# KiCad board PC110.kicad_pcb (continued)
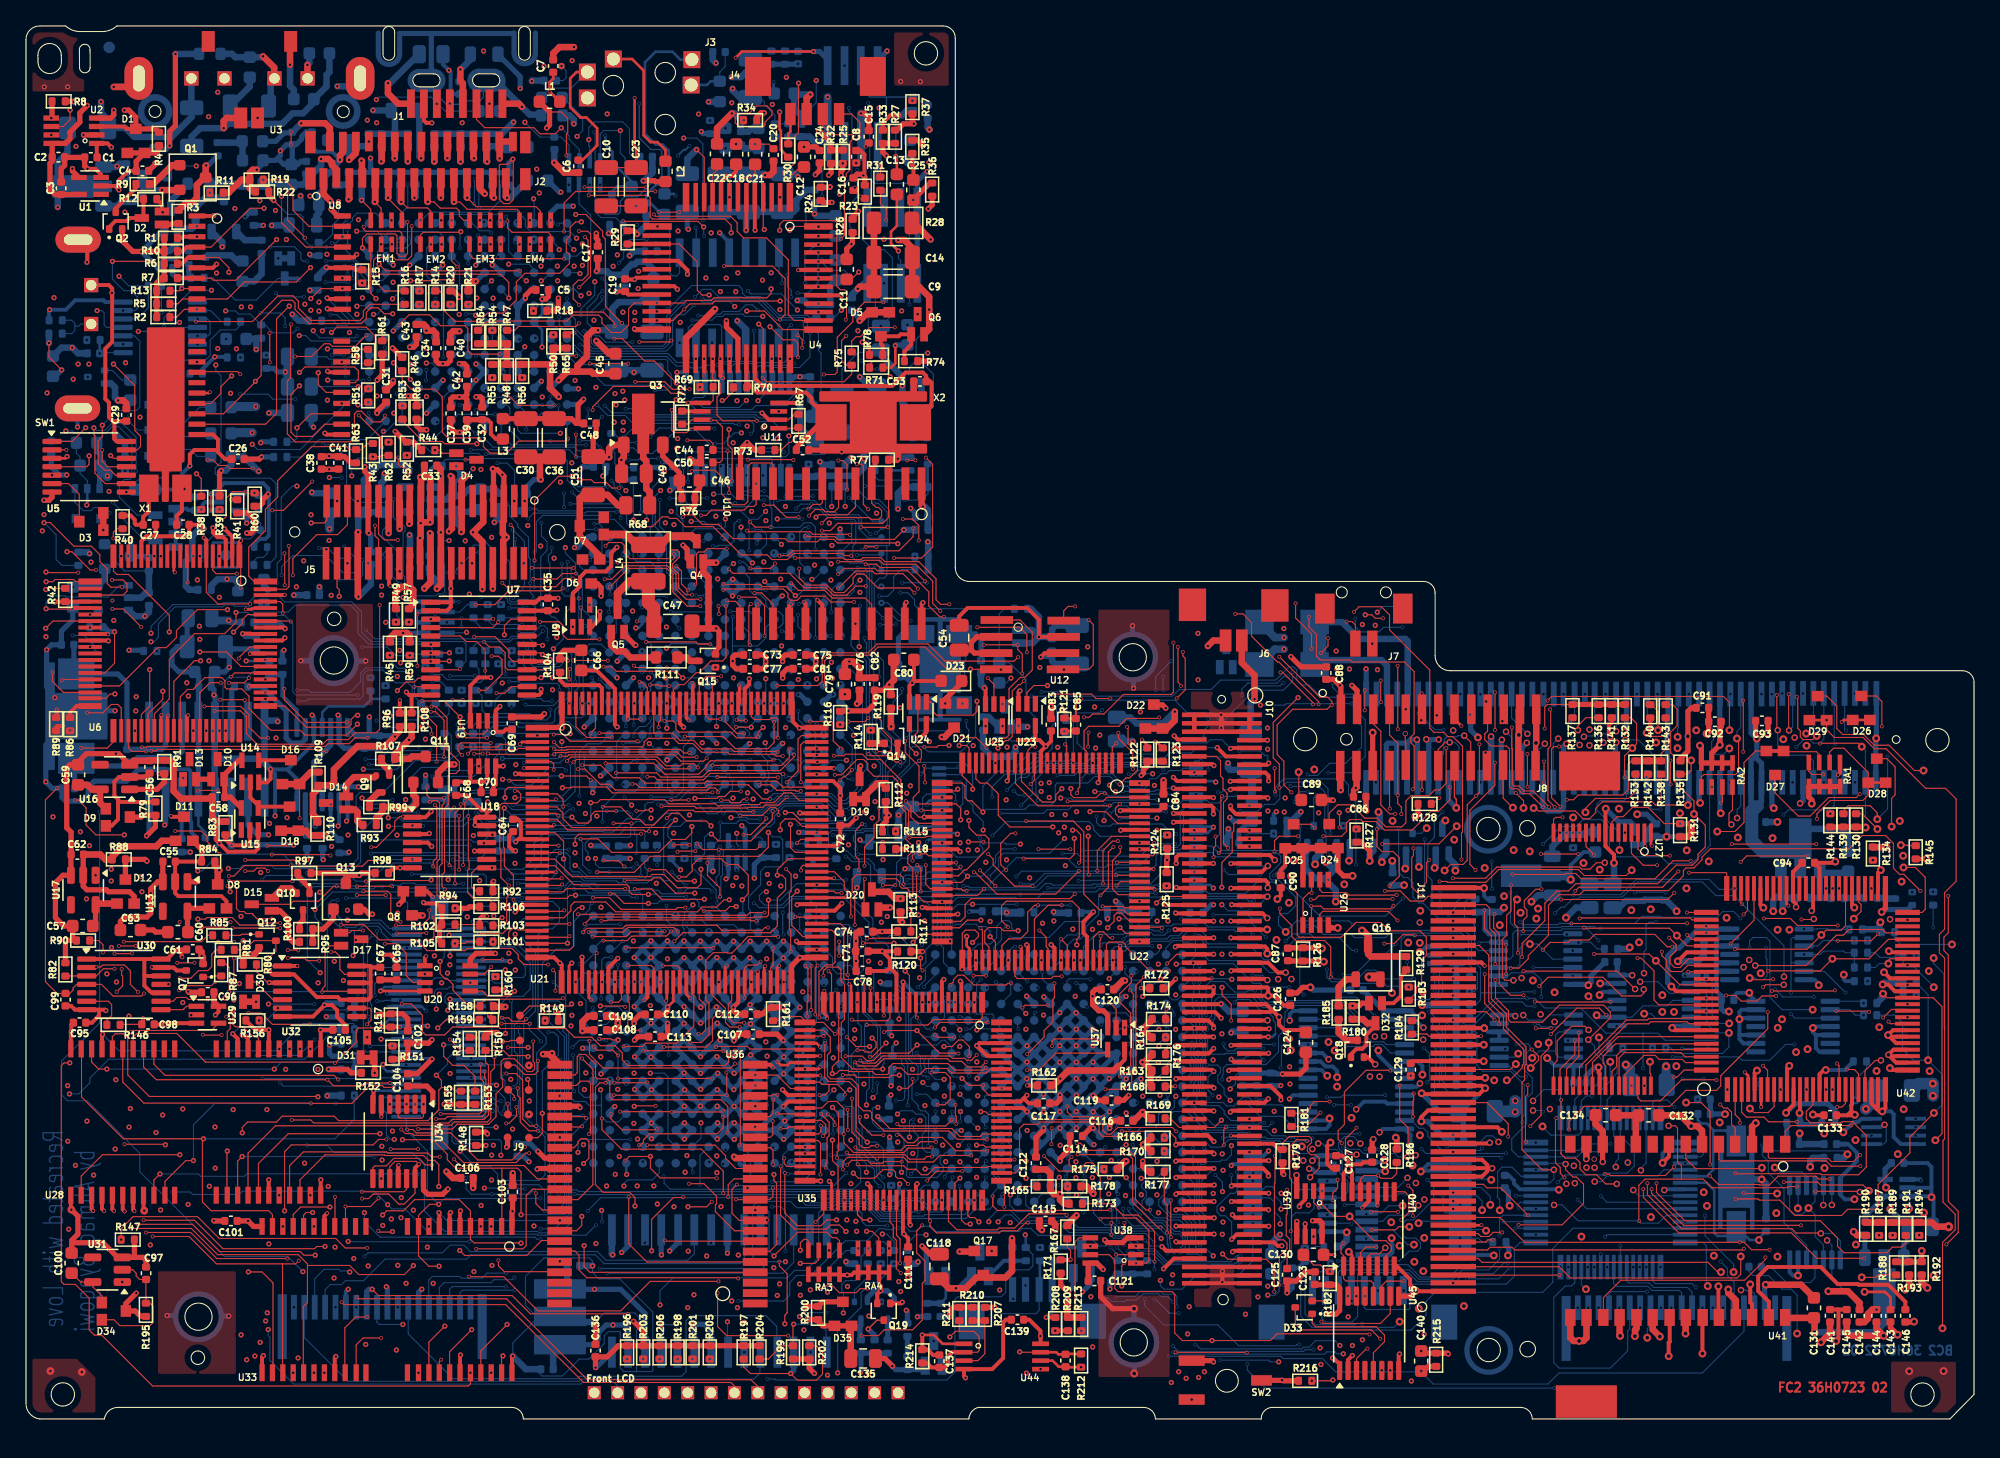
[diagram p0: board, top side]
## Routing (per net, layer and track width the routed paths; a pad name or vN(x,y) marks a point on that pad's centre or on a via; arc(x,y) is an arc through that point) (continued)
FDC_IRTX_TXD2: length 52
  FC2 w0.08: v3(105.33,39.55) 105.09,39.31 99.95,39.31 99.74,39.52 v3(98.99,39.52) 99.01,39.5 U26.2
  FC2 w0.2: U22.87 86.81,42.4 v3(86.85,42.36)
  FC1 w0.08: v3(98.99,39.52) 98.5,39.03 96.37,39.03 95.81,39.59 94.54,39.59 94.05,40.08 94.05,40.98 92.38,42.65 92.38,43.8 91.97,44.21 90.51,44.21 90.35,44.37 88.19,44.37 86.85,43.03 v3(86.85,42.36) ; v3(106.51,33.28) 105.93,33.86 105.93,38.89 105.35,39.47 105.35,39.53 v3(105.33,39.55) 105.63,39.85 106.6,39.85 107.34,40.59 107.8,40.59 109.68,38.71 110.35,38.71 110.5,38.56 v2(116.34,38.56)
  BC1 w0.08: v7(116.11,34.79) 116.11,35.53 116.34,35.76 v2(116.34,38.56)
  BC2 w0.08: v7(116.11,34.79) U57.5
FDC_MTR2#: length 64.3
  FC2 w0.08: v3(77.09,59.08) 77.09,60.45 76.53,61.01 v3(73.28,61.01) ; v3(81.84,52.9) 81.81,52.87 v3(81.81,51.81) ; v1(81.96,46.8) 83.17,46.8 84.07,45.9 U22.94 ; v3(62.56,65.11) 63,65.55 65.4,65.55 65.59,65.36 67.92,65.36 69.54,63.74 69.54,62.66 70.38,61.82 v3(70.7,61.82) ; 52.86,55.15 52.86,56.56 v3(53.18,56.88)
  FC1 w0.08: v3(81.81,51.81) 81.5,51.5 81.5,47.92 81.96,47.46 v1(81.96,46.8) ; v3(53.18,56.88) 53.18,57.54 53.4,57.76 53.4,58.81 55.56,60.97 62.08,60.97 62.25,61.14 62.25,64.4 62.56,64.71 v3(62.56,65.11) ; v3(70.7,61.82) 72.47,61.82 v3(73.28,61.01) ; v3(81.84,52.9) 81.78,52.96 81.78,57.43 79.99,59.22 77.66,59.22 77.52,59.08 v3(77.09,59.08)
  BC1 w0.08: v7(80.12,51.17) 80.61,51.17 81.7,50.08 81.7,47.66 81.96,47.4 v1(81.96,46.8)
  BC2 w0.08: v7(80.12,51.17) R310.1
FDC_MTR3#: length 44.7
  FC2 w0.08: v3(85.25,50.07) 85.25,51.35 84.15,52.45 84.15,52.87 v3(84.14,52.88) ; v3(57.88,56.52) 60.98,56.52 61.33,56.87 61.33,58.54 61.83,59.04 64.87,59.04 65.55,59.72 69.48,59.72 70.8,58.4 76.11,58.4 v3(76.42,58.71)
  FC2 w0.25: 54.96,55.17 54.96,56.49 v3(54.92,56.53)
  FC1 w0.08: v3(84.14,52.88) 83.08,53.94 83.08,54.89 82.21,55.76 82.21,57.63 80.37,59.47 77.04,59.47 76.42,58.85 v3(76.42,58.71) ; v3(54.92,56.53) 57.87,56.53 v3(57.88,56.52)
  FC1 w0.2: v3(85.25,50.07) 85.05,49.87 85.05,48.12 v3(85.77,47.4)
FDC_PD0: length 63.6
  FC2 w0.08: v3(84.1,44.53) 83.69,44.53 82.96,43.8 v3(82.96,41.27) ; v3(103.12,56.16) v3(103.12,54.61)
  FC1 w0.08: v3(103.12,54.61) 103.65,54.61 107.21,51.05 115.09,51.05 115.26,50.88 116.34,50.88 116.53,51.07 119.53,51.07 119.67,51.21 v4(119.67,51.94) ; v3(81.22,35.35) 81.41,35.54 81.41,36.99 81.28,37.12 81.28,39.59 v3(82.96,41.27) ; v3(103.12,56.16) 103.11,56.16 100.42,56.16 100.03,56.55 94.55,56.55 94.02,56.02 94.02,55.16 92.76,53.9 91.92,53.9 88.81,50.79 85.2,50.79 84.62,50.21 84.62,47.35 84.74,47.23 84.74,44.97 84.3,44.53 v3(84.1,44.53)
  BC2 w0.08: J13.30 119.28,54.1 118.8,53.62 118.8,52.81 v4(119.67,51.94)
FDC_PD1: length 64.3
  FC1 w0.08: v3(80.72,35.35) 81.34,34.73 86.34,34.73 86.66,35.05 v1(87.22,35.05)
  IC3 w0.08: v1(87.22,35.05) 87.81,35.64 88.89,35.64 89.52,36.27 94.27,36.27 94.52,36.52 95.8,36.52 96.24,36.08 97.7,36.08 99,34.78 102.74,34.78 103.01,35.05 104.98,35.05 105.38,34.65 112.94,34.65 114.22,33.37 115.65,33.37 v2(116.07,33.79)
  BC1 w0.08: v7(120.08,55.86) 119.97,55.86 117.47,53.36 117.47,46.94 119.72,44.69 119.72,43.64 117.33,41.25 117.33,34.05 117.07,33.79 v2(116.07,33.79)
FDC_PD2: length 75.8
  FC2 w0.08: v3(79.73,36.97) 80.22,36.48 U22.67
  FC1 w0.08: v1(79.98,45.61) 79.51,46.08 78.82,46.08 78.59,45.85 78.59,43.21 78.87,42.93 78.87,40.05 79.73,39.19 v3(79.73,36.97)
  IC2 w0.08: v1(79.98,45.61) 79.64,45.95 78.57,45.95 77.65,46.87 77.65,49.77 78.67,50.79 89.83,50.79 91.39,52.34 93.52,52.34 95.07,53.89 96.02,53.89 96.36,53.55 96.36,49.28 96.74,48.9 99.67,48.9 100.58,49.81 120.48,49.81 120.96,50.29 120.96,52.24 120.62,52.58 v4(120,52.58)
  BC2 w0.08: J13.28 120.83,52.82 120.64,52.63 120.05,52.63 v4(120,52.58)
FDC_PD3: length 64.8
  FC1 w0.08: v3(79.72,35.35) 79.72,35 80.42,34.3 82.6,34.3 82.83,34.53 84.08,34.53 84.22,34.39 84.22,32.49 84.59,32.12 86.33,32.12 87.2,32.99 87.88,32.99 88.18,33.29 89.46,33.29 90.15,33.98 90.15,34.81 90.68,35.34 93.37,35.34 93.73,34.98 97.6,34.98 100.37,37.75 100.37,40.47 101.1,41.2 v2(101.54,41.2)
  IC3 w0.08: v2(101.54,41.2) 101.6,41.26 102.37,41.26 102.72,41.61 115.89,41.61 116.61,42.33 v2(121.22,42.33)
  BC1 w0.08: v7(121.68,55.86) 121.08,55.27 121.08,42.47 v2(121.22,42.33)
FDC_PD4: length 72.2
  FC2 w0.08: v3(78.06,37.64) 78.58,37.12 78.58,36.39 78.72,36.26 U22.64 ; v3(80.44,43.9) 80.43,43.91 v3(77.99,43.91)
  FC1 w0.08: v3(78.06,37.64) 77.81,37.89 77.81,38.94 78.34,39.47 78.34,42.27 77.99,42.62 v3(77.99,43.91) ; v3(80.44,43.9) 80.93,43.9 81.44,44.41 81.44,45.89 81.68,46.13 81.91,46.13 82.47,46.69 82.47,47.31 81.74,48.04 81.74,51.05 v1(82.39,51.7)
  IC3 w0.08: v4(122.48,53) 122.4,53.08 121.68,53.08 121.03,52.43 121.03,51.54 120.55,51.06 119.66,51.06 119.09,51.63 119.09,52.37 118.2,53.26 114.82,53.26 114.5,52.94 114.5,50.28 113.12,48.9 103.23,48.9 103.03,49.1 101.07,49.1 100.41,48.44 94.6,48.44 93.41,49.63 91.47,49.63 89.79,51.31 88.09,51.31 87.66,51.74 82.43,51.74 v1(82.39,51.7)
  BC2 w0.08: v4(122.48,53) J13.26
FDC_PD5: length 75.9
  FC1 w0.08: v1(78.82,47.89) 78.38,47.45 78.38,42.85 78.64,42.59 78.64,37.69 78.22,37.27 v3(78.22,35.35)
  IC4 w0.08: v4(123.12,52.96) 123.12,53.43 122.63,53.92 107.52,53.92 105.72,55.72 105.72,58.32 104.38,59.66 102.2,59.66 100.12,61.74 85.05,61.74 80.28,56.97 80.28,50.25 79.32,49.29 79.32,48.39 v1(78.82,47.89)
  BC2 w0.4: J13.25 123.28,53.12 v4(123.12,52.96)
FDC_PD6: length 66.2
  FC2 w0.08: U22.62 77.67,35.4 77.67,38.52 78.74,39.59 v3(79.77,39.59)
  FC1 w0.08: v3(79.77,39.59) 79.78,39.6 79.78,41.76 79.12,42.42 79.12,44.75 v1(79.54,45.17)
  IC2 w0.08: v2(122.74,43.84) 122.74,44.44 122.27,44.91 120.51,44.91 118.85,43.25 109.11,43.25 108.13,44.23 79.29,44.23 79.19,44.33 79.19,44.76 79.54,45.11 v1(79.54,45.17)
  BC2 w0.08: v2(122.74,43.84) 122.74,45.17 121.01,46.9 121.01,47.39 121.29,47.67 123.1,47.67 123.28,47.85 J13.76
FDC_PD7: length 70.9
  FC2 w0.3: U22.61 77.17,36.45 v1(77.08,36.54)
  IC3 w0.08: v1(77.08,36.54) 77.08,36.23 77.31,36 88.86,36 89.33,36.47 93.68,36.47 94.3,37.09 95.47,37.09 96.08,36.48 98.71,36.48 99.38,35.81 102.31,35.81 102.75,35.37 105.14,35.37 105.38,35.13 109.29,35.13 109.51,34.91 122.63,34.91 123.2,35.48 123.92,35.48 124.25,35.81 v2(124.25,36.73)
  BC1 w0.08: v7(124.08,55.86) 124.08,52.67 124.54,52.21 124.54,37.02 v2(124.25,36.73)
FDC_PE: length 91.3
  FC2 w0.08: v1(80.94,36.53) 80.94,36.96 81.13,37.15 81.13,39.36 80.59,39.9 75.51,39.9 75.14,39.53 75.14,38.4 v3(75.63,37.91) ; R138.1 125.95,47.81 v3(125.83,47.69)
  FC1 w0.08: v3(75.67,35.35) 75.63,35.39 v3(75.63,37.91) ; v2(127.4,46.68) 126.84,46.68 v3(125.83,47.69)
  IC2 w0.08: v2(127.4,46.68) 127.4,45.7 127.14,45.44 127.14,43.19 131.93,38.4 131.93,36.17 v4(132.73,35.37)
  IC3 w0.08: v1(80.94,36.53) 80.94,36.54 81.34,36.94 90.39,36.94 90.99,37.54 94.61,37.54 94.87,37.28 95.89,37.28 96.57,37.96 97.28,37.96 98.39,36.85 99.9,36.85 100.73,36.02 104.87,36.02 105.54,35.35 109.59,35.35 109.81,35.13 121.25,35.13 123.3,37.18 126.12,37.18 127.93,35.37 v4(132.73,35.37)
  BC1 w0.08: v2(127.4,46.68) 126.71,46.68 126.41,46.98 v7(125.9,46.98)
  BC2 w0.08: J13.78 124.83,47.42 125.27,46.98 v7(125.9,46.98)
FDC_RDATA#: length 113
  FC2 w0.08: U22.14 77.67,49.2 v3(77.39,48.92)
  FC1 w0.08: v1(76.6,44.3) 76.98,44.3 77.39,44.71 v3(77.39,48.92)
  IC4 w0.08: v2(131.86,44.81) 131.72,44.81 130.87,45.66 130.87,45.96 132.06,47.15 132.06,51.5 128.52,55.04 107.31,55.04 106.39,55.96 106.39,58.69 104.72,60.36 102.03,60.36 100.43,61.96 76.13,61.96 73.67,59.5 73.67,57.22 73.1,56.65 73.1,56.04 73.82,55.32 73.82,51.68 76.2,49.3 76.2,44.7 v1(76.6,44.3)
  BC1 w0.08: v7(135.28,49.06) 135.28,47.04 133.05,44.81 v2(131.86,44.81) ; v7(73.79,44.39) 73.79,43.62 73.03,42.86 73.03,40.83 72.49,40.29 72.49,39.23 v7(72.64,39.08)
  BC2 w0.08: v1(76.6,44.3) 75.5,44.3 75.41,44.39 v7(73.79,44.39)
  BC2 w0.3: R307.2 72.68,39.12 v7(72.64,39.08)
FDC_RI1#: length 116.1
  FC2 w0.08: J8.5 111.23,54.59 v3(111.23,54.28) ; v3(104.37,55.24) 104.35,55.26 v3(104.35,56.91) ; v3(132.28,51.42) 132.28,55.36 v3(132.27,55.37)
  FC2 w0.5: v2(140.78,14.42) 141.04,14.17 141.74,14.17
  FC1 w0.08: v3(132.28,51.42) 133.83,49.87 133.83,44.82 138.77,39.88 138.77,36.55 138.45,36.23 138.45,34.87 138.72,34.6 138.72,32.74 140.41,31.05 140.41,28.56 140.61,28.36 140.61,24.72 140.17,24.28 140.17,22.54 140.45,22.26 140.45,21.08 140.84,20.69 140.84,17.74 140.4,17.3 140.4,14.8 v2(140.78,14.42) ; 132.25,55.37 118.88,55.37 117.79,54.28 116.94,54.28 116.36,54.86 113.12,54.86 112.54,54.28 v3(111.23,54.28) 110.85,54.28 110.61,54.52 107.1,54.52 106.82,54.24 105.37,54.24 v3(104.37,55.24) ; v3(104.35,56.91) 104.34,56.92 102.47,56.92 102.36,57.03 91.7,57.03 89.89,55.22 89.89,52.46 88.44,51.01 85.08,51.01 84.42,50.35 84.42,49.67 84.08,49.33 83.34,49.33 83.02,49.01 83.02,48.71 82.75,48.44 82.75,47.11 83.47,46.39 83.47,45.61 83.24,45.38 83.24,43.47 83.53,43.18 84.62,43.18 85.77,42.03 v3(85.77,39.9)
FDC_RI2#: length 71.8
  FC2 w0.08: v4(124.63,34.35) 124.65,34.35
  FC2 w0.2: U22.84 86.85,40.9 v3(86.94,40.81)
  FC1 w0.08: v3(86.94,40.81) 86.33,40.2 86.33,39.26 85.61,38.54 v1(84.19,38.54) 83.88,38.23 83.88,37.68 83.32,37.12 83.32,35.19 83.59,34.92 84.88,34.92 85.38,35.42 86.56,35.42 86.6,35.46 89.19,35.46 90.14,36.41 94.5,36.41 95.01,36.92 v2(96.32,36.92)
  IC1 w0.08: v2(96.32,36.92) 98.56,34.68 124.3,34.68 v4(124.63,34.35)
  BC1 w0.08: v7(127.23,49.06) 125.39,47.22 125.39,46.35 125.62,46.12 125.62,38.34 v7(125.56,38.28)
  BC2 w0.08: v7(125.56,38.28) 125.01,38.28 124.78,38.05 124.78,36.16 124.63,36.01 v4(124.63,34.35) ; v1(84.19,38.54) 86.59,38.54 86.73,38.68 R311.1
FDC_RTS1#: length 96.1
  FC2 w0.08: U22.79 84.96,38.4 84.37,38.99 84.01,38.99 83.82,38.8 83.82,38.35 v1(83.32,37.85)
  FC2 w0.5: v2(144.75,9.97) 145.05,10.27 145.05,11.13
  IC3 w0.08: v1(83.32,37.85) 83.68,37.49 87.61,37.49 88.33,38.21 89.14,38.21 89.79,38.86 94.83,38.86 95.17,39.2 95.75,39.2 96.57,38.38 97.66,38.38 98.48,37.56 98.52,37.56 98.81,37.27 100.05,37.27 100.84,36.48 104.61,36.48 105.43,37.3 107.35,37.3 107.49,37.44 109.6,37.44 111.5,35.54 120.95,35.54 123.1,37.69 132,37.69 132.52,37.17 135.3,37.17 v2(135.83,37.7)
  IC4 w0.08: v2(135.83,37.7) 136.86,36.67 136.86,29.92 137.92,28.86 137.92,28.25 137.15,27.48 137.15,21.51 136.87,21.23 136.87,18.1 138.44,16.52 v4(138.44,16.48) 138.44,15.2 143.67,9.97 v2(144.75,9.97)
  BC2 w0.08: U64.5 138.45,16.49 v4(138.44,16.48)
FDC_RTS2#: length 51.9
  FC2 w0.08: U22.89 86.81,43.4 86.9,43.49 v3(86.9,44.39)
  FC1 w0.08: v2(128.95,47.47) 128.95,47.51 126.42,50.04 121.22,50.04 121,49.82 109.62,49.82 109.26,49.46 100.89,49.46 100.59,49.16 96.97,49.16 96.47,49.66 91.1,49.66 89.6,48.16 87.32,48.16 86.44,47.28 86.44,44.88 86.9,44.42 v3(86.9,44.39)
  BC2 w0.4: J13.83 128.88,47.54 v2(128.95,47.47)
FDC_RXD1: length 104.9
  FC2 w0.08: J8.10 105.03,52.71 105.66,52.08 v3(105.66,48.08) 105.66,47.43 105.94,47.15 v3(105.94,46.61) ; v3(139.44,31.43) 141.9,31.43 v3(141.96,31.37) ; v3(114.5,41.96) 118.54,41.96 118.62,42.04 119.37,42.04 119.78,41.63 125.48,41.63 126.86,43.01 v3(128.22,43.01)
  FC1 w0.08: v3(105.94,46.61) 105.94,46.6 108.89,43.65 111.01,43.65 111.36,43.3 113.16,43.3 v3(114.5,41.96) ; v3(128.22,43.01) 128.82,43.01 129.29,43.48 133.51,43.48 137.08,39.91 137.08,33.79 v3(139.44,31.43) ; v3(145.83,14.17) 145.63,14.37 145.63,17.28 142.44,20.47 142.44,24.49 142.14,24.79 142.13,24.79 142,24.92 142,31.33 v3(141.96,31.37) ; v3(105.66,48.08) 101.94,48.08 99.99,46.13 98.91,46.13 98.47,45.69 98.47,42.25 99.48,41.24 99.48,39.2 98.95,38.67 96.22,38.67 95.84,39.05 95.07,39.05 93.74,37.72 90.39,37.72 89.51,36.84 86.15,36.84 86.11,36.8 v3(85.77,36.8)
FDC_SLCT: length 77.7
  FC2 w0.08: U22.57 75.17,36.48 75.69,37 76.6,37 77.16,37.56 77.16,39.06 77.69,39.59 v3(77.96,39.59) ; v2(125.71,53.08) 125.71,54.54 125.2,55.05 R140.2
  FC1 w0.08: v3(77.96,39.59) 77.98,39.61 77.98,42.16 77.69,42.45 77.69,48.48 v1(78.19,48.98)
  IC2 w0.08: v1(78.19,48.98) 78.19,49.75 78.95,50.51 89.92,50.51 91.56,52.15 93.77,52.15 95.33,53.71 95.82,53.71 96.16,53.37 96.16,49.01 96.45,48.72 99.87,48.72 100.73,49.58 121.53,49.58 122.22,50.27 123.18,50.27 124.38,51.47 124.38,51.67 125.71,53 v2(125.71,53.08)
  BC2 w0.08: v2(125.71,53.08) 124.88,53.91 J13.23
FDC_SLCTIN#: length 63.4
  FC2 w0.08: v3(123.13,49.44) 123.13,51.1 v2(123.73,51.7) 124.06,52.03 124.06,53.6 123.62,54.04 R132.1 ; v3(83.68,37.08) 83.46,37.08 83,37.54 82.65,37.54 82.22,37.11 U22.71
  FC1 w0.08: v3(123.13,49.44) 123.1,49.47 109.84,49.47 109.36,48.99 101.16,48.99 99.11,46.94 99.11,46.64 98.28,45.81 98.28,42.02 99.31,40.99 99.31,39.39 98.76,38.84 96.3,38.84 95.8,39.34 95.03,39.34 93.61,37.92 90.23,37.92 89.34,37.03 86.3,37.03 86.25,37.08 v3(83.68,37.08)
  BC1 w0.08: v2(123.73,51.7) 123.35,51.7 121.63,49.98 v7(121.63,49.06)
FDC_STEP#: length 75
  FC2 w0.08: v3(87.29,54.06) 87.22,53.99 84.79,53.99 84.18,53.38 81.85,53.38 81.5,53.03 81.5,51.65 81.67,51.48 U22.6 ; v4(134.93,53.08) 134.86,53.15 v3(134.86,55.79) ; v3(88.72,59.49) 88.74,59.47 88.74,56.78 88.97,56.55 v3(88.97,56.5)
  FC1 w0.08: v3(88.97,56.5) 89.2,56.27 89.2,54.46 88.57,53.83 87.54,53.83 87.31,54.06 v3(87.29,54.06) ; v3(88.72,59.49) 88.72,58.87 89.09,58.5 94.39,58.5 95.71,59.82 97.57,59.82 98.89,58.5 104.55,58.5 105.93,57.12 105.93,56.21 106.53,55.61 108.99,55.61 109.17,55.79 112.8,55.79 112.92,55.67 113.37,55.67 113.57,55.87 134.05,55.87 134.11,55.81 134.84,55.81 v3(134.86,55.79)
  BC2 w0.08: J13.94 137.68,50.71 137.24,51.15 135.72,51.15 134.93,51.94 v4(134.93,53.08)
FDC_STROBE#: length 64.8
  FC2 w0.08: v3(115.65,51.24) 115.65,48.72 v3(115.66,48.71)
  FC2 w0.3: v3(84.29,36.44) 84.27,36.42 U22.75
  FC1 w0.08: v4(121.5,52.12) 121.5,53.17 120.59,54.08 119.3,54.08 v3(118.94,53.72) 118.94,53.04 119.11,52.87 119.11,51.78 118.57,51.24 v3(115.65,51.24) ; v3(84.29,36.44) 84.72,36.01 86.69,36.01 86.84,35.86 88.98,35.86 90.63,37.51 94.4,37.51 95.04,38.15 98.8,38.15 99.67,39.02 99.67,41.34 98.66,42.35 98.66,45.52 99.07,45.93 100.09,45.93 100.49,46.33 101.92,46.33 103.34,47.75 105.88,47.75 106.26,48.13 106.26,48.55 106.53,48.82 109.08,48.82 109.49,48.41 109.87,48.41 110.17,48.71 v3(115.66,48.71)
  BC1 w0.08: v7(118.43,55.86) 118.91,56.34 122.02,56.34 122.45,55.91 122.45,54.46 121.5,53.51 v4(121.5,52.12)
FDC_TRK0#: length 100.6
  FC2 w0.08: v3(97.47,48.29) 96.89,48.87 96.89,50.68 96.37,51.2 96.37,53.49 97.57,54.69 100.21,54.69 100.52,55 v3(100.57,55) 100.59,55.02 100.59,55.29 100.27,55.61 100.22,55.61 100.21,55.62 99.66,55.62 v3(96.54,58.74) ; v4(135.8,53.06) 135.77,53.09 v3(135.77,55.85) ; v3(79.08,55.86) 82.08,55.86 82.42,55.52 v3(83.52,55.52) ; v3(113.15,53.1) 113.15,55.98 v3(113.14,55.99)
  FC1 w0.08: v3(97.47,48.29) 97.47,45.29 96.57,44.39 91.19,44.39 90.58,45 v3(87.9,45) ; v3(113.15,53.1) 110.47,53.1 110.04,53.53 107.21,53.53 106.92,53.82 104.78,53.82 103.52,55.08 100.65,55.08 v3(100.57,55) ; v3(79.17,50.55) 79.17,50.66 78.92,50.91 77.86,50.91 77.38,51.39 77.38,52.04 77.83,52.49 77.83,54.59 79.08,55.84 v3(79.08,55.86) ; v3(135.77,55.85) 135.32,55.85 135.07,56.1 114.37,56.1 114.35,56.08 113.23,56.08 v3(113.14,55.99) ; v3(83.52,55.52) 86.07,55.52 88.86,58.31 96.11,58.31 v3(96.54,58.74)
  BC2 w0.08: J13.9 136.08,53.34 v4(135.8,53.06)
FDC_TXD1: length 92.5
  FC2 w0.08: 144.05,11.13 142.69,11.13 142.47,10.91 v2(141.4,10.91) ; v1(84.26,37.87) 84.73,37.4 U22.77
  IC3 w0.08: v1(84.26,37.87) 85.21,38.82 85.21,38.83 88.08,38.83 88.3,38.61 88.81,38.61 89.25,39.05 94.69,39.05 95.1,39.46 95.84,39.46 96.73,38.57 97.89,38.57 98.94,37.52 100.09,37.52 100.91,36.7 104.44,36.7 105.4,37.66 109.76,37.66 111.69,35.73 120.79,35.73 122.93,37.87 132.2,37.87 132.62,37.45 134.67,37.45 v2(134.92,37.7)
  IC4 w0.08: v2(134.92,37.7) 135.92,36.7 135.92,29.68 135.22,28.98 135.22,26.69 136.09,25.81 136.09,21.14 136.48,20.75 v2(136.48,16.23)
  BC1 w0.08: v2(141.4,10.91) 139.38,10.91 136.47,13.82 136.47,16.22 v2(136.48,16.23)
  BC2 w0.08: U64.2 136.5,16.25 v2(136.48,16.23)
FDC_TXD2_EN: length 176.3
  FC2 w0.4: v3(1.95,100.25) 2.01,100.31 R8.1
  FC1 w0.08: v3(1.95,100.25) 2.27,100.25 6.19,96.33 6.19,91.69 7.68,90.2 7.68,81.41 v1(7.67,81.4)
  IC3 w0.08: v4(120.43,53.13) 120.43,54.23 118.79,55.87 107.96,55.87 106.65,57.18 106.65,58.72 104.99,60.38 102.45,60.38 100.06,62.77 70.02,62.77 69.48,63.31 69.48,63.86 65,68.34 65,77.6 60.93,81.67 36.48,81.67 35.07,83.08 8.46,83.08 7.64,82.26 7.64,81.43 v1(7.67,81.4)
  BC1 w0.08: v4(120.43,53.13) 120.88,52.68 120.88,43.14 120.73,42.99 120.73,35.73 v7(119.14,34.14)
FDC_UART1_EN: length 123.7
  FC2 w0.08: v4(107.04,20.33) 107.04,20.37 106.46,20.95 106.46,22.44 105.81,23.09 v3(105.81,25.7) ; v3(84.61,15.11) 84.61,14.51 v3(84.44,14.34) ; v3(75.36,16.35) 75.36,18.15 U35.76 ; 106.98,20.32 106.98,20.27
  FC2 w0.4: v3(102.18,31.83) 102.68,31.83 102.89,32.04 D32.1
  FC1 w0.08: v3(84.61,15.11) 84.11,15.11 82.88,16.34 75.37,16.34 v3(75.36,16.35) ; v3(105.81,25.7) 103.6,25.7 102.04,27.26 102.04,31.69 v3(102.18,31.83) ; v3(84.44,14.34) 84.27,14.17 84.27,11.41 88.22,7.46 v1(88.22,2.81)
  IC2 w0.08: v1(101.84,7.87) 100.44,6.47 100.44,5.42 99.86,4.84 89.08,4.84 88.22,3.98 v1(88.22,2.81)
  IC3 w0.08: v2(137.3,16.25) 135.57,17.98 133.24,17.98 132.66,18.56 122.06,18.56 120.73,17.23 117.8,17.23 114.68,20.35 107.06,20.35 v4(107.04,20.33)
  IC4 w0.08: v1(101.84,7.87) 100.93,8.78 100.93,19.7 102.01,20.78 102.26,20.78 102.4,20.92 102.4,21.47 103.62,22.69 105.29,22.69 107.04,20.94 v4(107.04,20.33)
  BC2 w0.08: U64.4 137.8,16.75 v2(137.3,16.25) ; v2(137.3,16.25) 136.81,15.76 136.14,15.76 135.85,16.05 U64.1 ; v2(137.3,16.25) 137.82,15.73 137.82,14.05 138.45,13.42 U64.10
FDC_WDATA#: length 73.3
  FC2 w0.08: U22.7 81.17,48.7 81.04,48.57 81.04,48.31 v3(80.95,48.22)
  FC1 w0.08: v1(80.92,46.8) 80.92,48.19 v3(80.95,48.22)
  IC1 w0.08: v2(114.59,43.84) 115.01,43.84 115.38,44.21 116.24,44.21 116.34,44.11 121.12,44.11 121.39,44.38 132.45,44.38 133.26,45.19 133.26,48.81 136.23,51.78 v4(136.23,52.51)
  IC2 w0.08: v2(114.59,43.84) 111.4,43.84 110.96,44.28 110.96,45.59 109.07,47.48 101.04,47.48 98.38,44.82 83.48,44.82 82.15,46.15 81.57,46.15 v1(80.92,46.8)
  BC1 w0.08: v7(136.88,55.91) 136.88,55.23 136.23,54.58 v4(136.23,52.51)
FDC_WGATE#: length 76.2
  FC1 w0.08: v3(80.67,50.55) 80.67,51.49 81.57,52.39 82.57,52.39 82.66,52.3 83.28,52.3 83.36,52.38 84.23,52.38 84.8,51.81 85.95,51.81 86.36,52.22 86.36,52.42 86.56,52.61 86.56,55.18 89.3,57.92 99.01,57.92 99.51,57.42 103.78,57.42 v1(104.1,57.74)
  IC1 w0.08: v4(136.65,47.44) 136.65,49.45 138.83,51.63 138.83,55.29 138.05,56.07 104.95,56.07 104.1,56.92 v1(104.1,57.74)
  BC2 w0.4: v4(136.65,47.44) 136.88,47.67 J13.93
FDC_WRTPRT#: length 89.9
  FC2 w0.08: v3(83.11,48.21) 82.77,48.21 82.44,47.88 80.7,47.88 80.48,48.1 v1(80.48,48.58)
  FC1 w0.08: v3(83.11,48.21) 83.11,47.07 83.66,46.52 83.66,45.38 83.48,45.2 83.48,43.6 83.69,43.39 84.77,43.39 86.61,41.55 87.39,41.55 v3(87.86,41.08) ; v1(80.48,48.58) 80.48,48.74 v3(78.67,50.55)
  IC1 w0.08: v2(135.36,52.38) 135.36,53.96 133.63,55.69 104.04,55.69 v1(101.94,57.79)
  IC4 w0.08: v1(80.48,48.58) 80.48,54.71 82.83,57.06 87.08,57.06 87.71,57.69 87.71,60.45 88.53,61.27 92.43,61.27 95.38,58.32 101.41,58.32 v1(101.94,57.79)
  BC1 w0.08: v2(135.36,52.38) 135.36,55.83 v7(135.28,55.91)
FDD_Bowman: length 139.7
  FC2 w0.25: v3(51.06,53.83) 50.86,54.03 50.86,55.15
  FC1 w0.08: v3(138.98,46.64) 138.21,46.64 138.15,46.7 135.8,46.7 135.43,47.07 v2(134.63,47.07) ; v3(51.06,53.83) 51.06,53.19 50.78,52.91 50.66,52.91 50.4,52.65 50.4,47.26 v1(51.11,46.55)
  IC1 w0.08: v1(51.11,46.55) 51.74,47.18 57.17,47.18 58.1,46.25 60.45,46.25 60.76,45.95 70.7,45.95 72.14,47.39 73.92,47.39 74.2,47.11 79.26,47.11 79.52,46.85 79.52,46.26 79.64,46.14 80.75,46.14 81.35,45.54 81.35,44.5 81.09,44.24 79.27,44.24 78.92,43.89 75.38,43.89 74.94,43.45 74.94,42.84 75.21,42.57 78.19,42.57 78.52,42.24 96.59,42.24 96.88,42.53 97.95,42.53 98.17,42.31 100.35,42.31 100.53,42.49 104.04,42.49 104.12,42.4 105.31,42.4 106.11,43.2 110.73,43.2 112.08,41.85 117.7,41.85 118.75,40.8 124.83,40.8 125.81,41.78 132.48,41.78 133.06,41.2 142.6,41.2 143.44,42.04 143.44,42.52 140.38,45.58 136.12,45.58 v2(134.63,47.07)
  BC2 w0.4: v2(134.63,47.07) 134.48,47.22 J13.90
FDD_DRSEL: length 72.1
  FC2 w0.08: v3(99.12,55.07) 99.12,55.21 96.8,57.53 v3(96.63,57.53) ; U22.2 83.67,51.76 v3(83.99,52.08)
  FC1 w0.08: v2(137.15,51.88) 133.08,51.88 132.58,52.38 132.58,53.31 132.11,53.78 124.83,53.78 124.25,53.2 124.25,51.53 123.92,51.21 121.6,51.21 120.64,50.25 107.29,50.25 103.54,54 102.62,54 102.23,54.39 99.8,54.39 v3(99.12,55.07) ; v3(83.99,52.08) 84.44,51.64 86.11,51.64 86.64,52.18 86.64,52.4 86.8,52.55 86.8,55.04 89.29,57.53 v3(96.63,57.53)
  BC1 w0.08: v2(137.15,51.88) 139.2,51.88 v7(139.36,52.04)
  BC2 w0.08: J13.5 139.28,52.12 v7(139.36,52.04)
FDD_INDEX#: length 85.7
  FC2 w0.08: v3(100.29,60.17) 100.29,59.57 v3(99.75,59.03) ; v3(89.11,59.11) 89.11,58.8 89.29,58.62 89.29,56.19 v3(88.63,55.53)
  FC2 w0.2: v3(86.99,52.2) 87.07,52.2 R123.2
  FC1 w0.08: v3(88.63,55.53) 87.59,55.53 86.99,54.93 v3(86.99,52.2) 86.99,51.91 86.47,51.39 84.14,51.39 83.4,52.13 82.48,52.13 82.4,52.21 81.65,52.21 80.98,51.54 80.98,50.21 80.85,50.08 80.14,50.08 v3(79.67,50.55) ; v1(103.93,61.16) 103.93,60.56 103.66,60.29 100.41,60.29 v3(100.29,60.17) ; v3(99.75,59.03) 98.86,59.03 97.52,60.37 97.52,61.06 97.2,61.38 96.74,61.38 94.18,58.82 90.39,58.82 90.1,59.11 v3(89.11,59.11)
  IC1 w0.08: v1(103.93,61.16) 103.93,58.79 103.61,58.47 103.61,56.74 104.47,55.88 136.46,55.88 137.12,55.22 v2(137.12,52.82)
  BC1 w0.08: v7(140.2,53.05) 139.88,53.37 137.67,53.37 v2(137.12,52.82)
  BC2 w0.08: J13.4 140.08,53.17 v7(140.2,53.05)
FDD_MOTEN: length 64.6
  FC2 w0.08: v3(117.2,55.36) 117.52,55.68 130.75,55.68 131.21,55.22 v2(131.21,53.08)
  FC1 w0.08: v3(85.77,49) 85.77,49.09 85.42,49.44 85.42,49.81 86,50.39 89.41,50.39 91.69,52.67 93.85,52.67 97.32,56.14 99.71,56.14 100.2,55.65 104.53,55.65 105.21,54.97 112.64,54.97 112.97,55.3 113.67,55.3 113.86,55.49 116.54,55.49 116.72,55.31 117.15,55.31 v3(117.2,55.36)
  BC1 w0.08: v7(136.36,51.79) 134.36,51.79 133.76,52.39 133.76,52.62 133.51,52.87 133.28,52.87 133.07,53.08 v2(131.21,53.08)
  BC2 w0.08: J13.6 138.48,52.38 138.18,52.08 137.67,52.08 137.4,52.35 136.92,52.35 v7(136.36,51.79)
FDD_Pluto1: length 11.5
  FC2 w0.08: v2(143.7,45.65) 143.7,47.83 143.97,48.1 143.97,50.25 143.33,50.89 D28.2
  BC1 w0.08: v7(140.88,49.06) 141.85,49.06 143.7,47.21 v2(143.7,45.65)
FDD_Pluto2: length 20.6
  FC2 w0.08: v3(142.95,53.37) 142.95,55.29 142.53,55.72 D26.2
  FC1 w0.08: v2(144.33,46.08) 144.33,48.93 142.95,50.31 v3(142.95,53.37)
  BC1 w0.08: v7(140.08,49.06) 140.08,45.71 141.03,44.76 143.83,44.76 144.33,45.26 v2(144.33,46.08)
FDD_Pluto3: length 19.6
  FC2 w0.08: D29.2 138.72,55.71 139.48,54.94 139.48,53.2 139.93,52.75 141.54,52.75 142.37,51.92 143.51,51.92 145.46,49.97 v2(146.16,49.97)
  BC1 w0.08: v2(146.16,49.97) 139.39,49.97 v7(138.48,49.06)
FDD_Pluto4: length 28.5
  FC2 w0.08: v3(141.24,48.15) 140.98,47.89 138.85,47.89 137.42,46.46 136.51,46.46 134.73,48.24 D27.2
  FC1 w0.08: v3(141.24,48.15) 141.24,45.28 143.12,43.4 v2(144.59,43.4)
  BC1 w0.08: v7(136.08,49.06) 136.08,46.75 139.35,43.48 144.51,43.48 v2(144.59,43.4)
IOCS16#: length 153
  FC2 w0.08: v1(72.92,48.53) 72.92,48.78 72.12,49.58 U22.25 ; v3(109.9,41.67) 112.43,41.67 113.29,42.53 119.67,42.53 119.83,42.37 120.47,42.37 120.97,42.87 v4(121.61,42.87) ; v1(101.16,46.72) 101.18,46.7 v3(101.18,45.58)
  FC2 w0.3: v2(142.87,42.3) 142.65,42.08 U42.52
  FC1 w0.08: v3(101.18,45.58) 101.77,44.99 105.3,44.99 106.89,43.41 107.11,43.41 107.73,42.79 107.73,42.57 108.38,41.92 108.87,41.92 109.12,41.67 v3(109.9,41.67) 109.9,39.06 v3(109.93,39.03)
  IC1 w0.08: v1(86.92,48.82) 87.62,48.12 89.13,48.12 89.94,47.31 91.79,47.31 92.25,46.85 94.21,46.85 94.74,46.32 100.76,46.32 v1(101.16,46.72) ; v4(121.61,42.87) 121.61,43.01 122.01,43.41 122.48,43.41 122.64,43.25 128.33,43.25 128.76,43.68 138.3,43.68 138.56,43.42 141.71,43.42 142.83,42.3 v2(142.87,42.3)
  IC3 w0.08: v1(72.92,48.53) 76.54,48.53 77.52,49.51 85.21,49.51 85.9,48.82 v1(86.92,48.82)
  BC1 w0.08: v7(66.03,18.62) 66.03,18.13 66.54,17.62 v7(67.68,17.62) ; 66.72,45.38 63.46,45.38 63.01,45.83 v7(63.01,46.42) ; 66.72,45.38 67.73,45.38 68.03,45.68 68.03,47.01 67.82,47.22 67.35,47.22 v7(67.12,47.45) ; 66.72,45.38 66.72,44.79 65.08,43.15 65.08,39.46 64.9,39.28 64.9,35.88 64.4,35.38 v7(64.4,33.92) ; v7(53.48,45.96) 53.48,46.4 53.35,46.53 v7(53.35,48.41)
  BC2 w0.08: v1(72.92,48.53) 72.92,49.92 72.25,50.59 68.53,50.59 67.12,49.18 v7(67.12,47.45) ; v7(66.03,18.62) 65.72,18.93 65.72,19.74 64.4,21.06 64.4,22.64 64.14,22.9 64.14,26.69 63.75,27.08 63.75,27.34 63.96,27.55 65.07,27.55 65.59,28.07 65.59,30.17 64.4,31.36 v7(64.4,33.92) ; R319.2 52.94,44.21 53.48,44.75 v7(53.48,45.96) 53.63,45.96 53.69,45.9 54.69,45.9 54.94,46.15 55.44,46.15 55.7,45.89 57.24,45.89 57.46,46.11 57.46,46.54 58.34,47.42 61.33,47.42 62.33,46.42 v7(63.01,46.42) ; v7(53.35,48.41) 53.35,48.43 ; v7(67.68,17.62) 68.8,17.62 69.19,18.01 U74.B1
  BC2 w0.2: 53.35,48.43 53.83,48.91